# Allegro board SDHCalFEB.brd (continued)
## Routing (per net, layer and track width the routed paths; a pad name or vN(x,y) marks a point on that pad's centre or on a via; arc(x,y) is an arc through that point) (continued)
  TOP w0.127: R2339.2 228.74,27.02 v2(227.79,27.02) R1142.1
  GND1 w0.127: v2(227.79,27.02) v3(228.52,27.02)
  SIG3 w0.127: v3(228.52,27.02) 242.2,40.69 v3(242.2,41.46)
  GND3 w0.127: v4(242.2,42.2) v3(242.2,41.46)
GEM_OUT_N60: length 32.2
  TOP w0.127: R1143.1 v2(225.6,29.68) 226.56,29.68 R2309.2
  GND1 w0.127: v2(225.6,29.68) v3(226.34,29.68)
  SIG3 w0.127: v3(226.34,29.68) 241.46,44.81 v3(241.46,52.2)
  GND3 w0.127: v4(242.2,52.2) v3(241.46,52.2)
GEM_OUT_O1: length 5
  TOP w0.127: R2188.2 173.16,80.73 v2(172.2,80.73) 172.2,78.16 R1167.1
  GND1 w0.127: v3(172.2,81.46) v2(172.2,80.73)
  GND3 w0.127: v4(172.2,82.2) v3(172.2,81.46)
GEM_OUT_O2: length 3.4
  TOP w0.127: R1168.1 172.2,94.64 v2(172.2,93.67) 172.2,92.71 R2178.2
  GND1 w0.127: v3(172.2,92.94) v2(172.2,93.67)
  GND3 w0.127: v4(172.2,92.2) v3(172.2,92.94)
GEM_OUT_O3: length 3.4
  TOP w0.127: R1169.1 162.2,84.64 v2(162.2,83.67) 162.2,82.72 R2189.2
  GND1 w0.127: v3(162.2,82.94) v2(162.2,83.67)
  GND3 w0.127: v4(162.2,82.2) v3(162.2,82.94)
GEM_OUT_O4: length 3.9
  TOP w0.127: R2191.2 160.73,93.68 v2(160.73,92.2) 159.77,92.2 R1170.1
  GND1 w0.127: v3(161.46,92.2) v2(160.73,92.2)
  GND3 w0.127: v4(162.2,92.2) v3(161.46,92.2)
GEM_OUT_O5: length 3.4
  TOP w0.127: R2190.2 152.2,82.71 v2(152.2,83.67) 152.2,84.61 R1171.1
  GND1 w0.127: v3(152.2,82.94) v2(152.2,83.67)
  GND3 w0.127: v4(152.2,82.2) v3(152.2,82.94)
GEM_OUT_O6: length 3.9
  TOP w0.127: R2202.2 150.73,93.64 v2(150.73,92.2) 149.77,92.2 R1172.1
  GND1 w0.127: v3(151.46,92.2) v2(150.73,92.2)
  GND3 w0.127: v4(152.2,92.2) v3(151.46,92.2)
GEM_OUT_O7: length 3.4
  TOP w0.127: R2199.2 142.2,82.71 v2(142.2,83.67) 142.2,84.63 R1173.1
  GND1 w0.127: v3(142.2,82.94) v2(142.2,83.67)
  GND3 w0.127: v4(142.2,82.2) v3(142.2,82.94)
GEM_OUT_O8: length 3.9
  TOP w0.127: R2203.2 140.73,93.68 v2(140.73,92.2) 139.76,92.2 R1174.1
  GND1 w0.127: v3(141.46,92.2) v2(140.73,92.2)
  GND3 w0.127: v4(142.2,92.2) v3(141.46,92.2)
GEM_OUT_O9: length 3.4
  TOP w0.127: R2200.2 132.2,82.7 v2(132.2,83.67) 132.2,84.63 R1175.1
  GND1 w0.127: v3(132.2,82.94) v2(132.2,83.67)
  GND3 w0.127: v4(132.2,82.2) v3(132.2,82.94)
GEM_OUT_O10: length 3.4
  TOP w0.127: R1176.1 132.2,94.64 v2(132.2,93.67) 132.2,92.71 R2215.2
  GND1 w0.127: v3(132.2,92.94) v2(132.2,93.67)
  GND3 w0.127: v4(132.2,92.2) v3(132.2,92.94)
GEM_OUT_O11: length 3.4
  TOP w0.127: R1177.1 122.2,94.61 v2(122.2,93.67) 122.2,92.72 R2216.2
  GND1 w0.127: v3(122.2,92.94) v2(122.2,93.67)
  GND3 w0.127: v4(122.2,92.2) v3(122.2,92.94)
GEM_OUT_O12: length 3.4
  TOP w0.127: R2201.2 122.2,82.71 v2(122.2,83.67) R1178.1
  GND1 w0.127: v3(122.2,82.94) v2(122.2,83.67)
  GND3 w0.127: v4(122.2,82.2) v3(122.2,82.94)
GEM_OUT_O13: length 3.9
  TOP w0.127: R1179.1 114.62,92.2 v2(113.67,92.2) R2217.2
  GND1 w0.127: v3(112.94,92.2) v2(113.67,92.2)
  GND3 w0.127: v4(112.2,92.2) v3(112.94,92.2)
GEM_OUT_O14: length 3.4
  TOP w0.127: R2205.2 102.2,91.69 v2(102.2,90.73) 102.2,89.81 R1180.1
  GND1 w0.127: v3(102.2,91.46) v2(102.2,90.73)
  GND3 w0.127: v4(102.2,92.2) v3(102.2,91.46)
GEM_OUT_O15: length 3.9
  TOP w0.127: v2(123.67,72.2) 122.74,72.2 R1181.1 122.73,72.22 R2262.2
  GND1 w0.127: v3(122.94,72.2) v2(123.67,72.2)
  GND3 w0.127: v4(122.2,72.2) v3(122.94,72.2)
GEM_OUT_O16: length 3.4
  TOP w0.127: R1182.1 114.62,82.2 v2(113.67,82.2) 112.71,82.2 R2234.2
  GND1 w0.127: v3(112.94,82.2) v2(113.67,82.2)
  GND3 w0.127: v4(112.2,82.2) v3(112.94,82.2)
GEM_OUT_O17: length 3.4
  TOP w0.127: R1183.1 104.63,82.2 v2(103.67,82.2) 102.7,82.2 R2238.2
  GND1 w0.127: v3(102.94,82.2) v2(103.67,82.2)
  GND3 w0.127: v4(102.2,82.2) v3(102.94,82.2)
GEM_OUT_O18: length 38.5
  TOP w0.127: R1184.1 v2(98.96,79.32) 98.01,79.32 R2258.2
  GND1 w0.127: v3(99.69,79.32) v2(98.96,79.32)
  SIG3 w0.127: v3(99.69,79.32) 125.81,79.32 v3(132.2,72.94)
  GND3 w0.127: v4(132.2,72.2) v3(132.2,72.94)
GEM_OUT_O19: length 3.4
  TOP w0.127: R2266.2 114.62,72.2 v2(113.67,72.2) 112.73,72.2 R1185.1
  GND1 w0.127: v3(112.94,72.2) v2(113.67,72.2)
  GND3 w0.127: v4(112.2,72.2) v3(112.94,72.2)
GEM_OUT_O20: length 3.4
  TOP w0.127: R1186.1 103.15,73.67 v2(102.2,73.67) 101.26,73.67 R2270.2
  GND1 w0.127: v3(102.2,72.94) v2(102.2,73.67)
  GND3 w0.127: v4(102.2,72.2) v3(102.2,72.94)
GEM_OUT_O21: length 45.2
  TOP w0.127: R2254.2 98.81,71.32 v2(99.77,71.32) R1187.1
  GND1 w0.127: v3(100.51,71.32) v2(99.77,71.32)
  SIG3 w0.127: v3(142.2,71.46) 141.65,71.46 141.51,71.32 v3(100.51,71.32)
  GND3 w0.127: v4(142.2,72.2) v3(142.2,71.46)
GEM_OUT_O22: length 8.6
  TOP w0.127: R2250.2 157.88,72.2 v2(158.83,72.2) 159.79,72.2 R1188.1
  GND1 w0.127: v3(158.09,72.2) v2(158.83,72.2)
  SIG3 w0.127: v3(152.94,72.2) v3(158.09,72.2)
  GND3 w0.127: v4(152.2,72.2) v3(152.94,72.2)
GEM_OUT_O23: length 3.4
  TOP w0.127: R2246.2 161.23,70.73 v2(162.2,70.73) 163.14,70.73 R1189.1
  GND1 w0.127: v3(162.2,71.46) v2(162.2,70.73)
  GND3 w0.127: v4(162.2,72.2) v3(162.2,71.46)
GEM_OUT_O24: length 3.4
  TOP w0.127: R1190.1 171.68,72.2 v2(170.73,72.2) 169.78,72.2 R2242.2
  GND1 w0.127: v3(171.46,72.2) v2(170.73,72.2)
  GND3 w0.127: v4(172.2,72.2) v3(171.46,72.2)
GEM_OUT_O25: length 23.8
  TOP w0.127: v2(111.56,63.92) R1191.1 112.53,63.91 R2290.2
  GND1 w0.127: v3(112.45,63.91) 111.91,63.91 111.9,63.92 v2(111.56,63.92)
  SIG3 w0.127: v3(131.46,62.2) 122.15,62.2 120.45,63.91 v3(112.45,63.91)
  GND3 w0.127: v4(132.2,62.2) v3(131.46,62.2)
GEM_OUT_O26: length 11.4
  TOP w0.127: R2294.2 114.69,60.82 R1192.1 v2(113.72,62.31)
  GND1 w0.127: v3(114.24,61.79) v2(113.72,62.31)
  SIG3 w0.127: v3(114.24,61.79) 114.84,61.79 114.95,61.68 v3(121.68,61.68)
  GND3 w0.127: v4(122.2,62.2) v3(121.68,61.68)
GEM_OUT_O27: length 18.9
  TOP w0.127: R1193.1 v2(166.27,65.26) 165.29,65.26 R2282.2
  GND1 w0.127: v2(166.27,65.26) v3(165.53,65.26)
  SIG3 w0.127: v3(165.53,65.26) 162.96,62.69 157.73,62.69 157.1,62.05 152.81,62.05 152.66,62.2 v3(151.46,62.2)
  GND3 w0.127: v3(151.46,62.2) v4(152.2,62.2)
GEM_OUT_O28: length 3.9
  TOP w0.127: R1194.1 163.89,61.46 v2(162.94,61.46) 162.94,59.97 R2278.2
  GND1 w0.127: v3(162.2,61.46) v2(162.94,61.46)
  GND3 w0.127: v4(162.2,62.2) v3(162.2,61.46)
GEM_OUT_O29: length 3.9
  TOP w0.127: R2274.2 171.46,60.01 v2(171.46,61.46) 172.4,61.46 R1195.1
  GND1 w0.127: v3(172.2,61.46) v2(171.46,61.46)
  GND3 w0.127: v4(172.2,62.2) v3(172.2,61.46)
GEM_OUT_O30: length 3.4
  TOP w0.127: R1196.1 109.77,62.2 v2(110.73,62.2) 111.68,62.2 R2298.2
  GND1 w0.127: v3(111.46,62.2) v2(110.73,62.2)
  GND3 w0.127: v4(112.2,62.2) v3(111.46,62.2)
GEM_OUT_O31: length 43.7
  TOP w0.127: R2286.2 103.37,66.31 v2(102.41,66.31) R1197.1
  GND1 w0.127: v3(103.15,66.31) v2(102.41,66.31)
  SIG3 w0.127: v3(141.46,62.2) 140.7,62.97 127.63,62.97 127.33,62.66 123.09,62.66 121.03,64.72 104.74,64.72 v3(103.15,66.31)
  GND3 w0.127: v4(142.2,62.2) v3(141.46,62.2)
GEM_OUT_O32: length 4.2
  TOP w0.127: R2302.2 101.16,61.46 v2(102.94,61.46) 102.94,60.52 R1198.1
  GND1 w0.127: v3(102.2,61.46) v2(102.94,61.46)
  GND3 w0.127: v4(102.2,62.2) v3(102.2,61.46)
GEM_OUT_O33: length 3.4
  TOP w0.127: R2332.2 103.67,51.24 v2(103.67,52.2) R1199.1
  GND1 w0.127: v3(102.94,52.2) v2(103.67,52.2)
  GND3 w0.127: v4(102.2,52.2) v3(102.94,52.2)
GEM_OUT_O35: length 3.4
  TOP w0.127: R1201.1 109.77,52.2 v2(110.73,52.2) 111.68,52.2 R2328.2
  GND1 w0.127: v3(111.46,52.2) v2(110.73,52.2)
  GND3 w0.127: v4(112.2,52.2) v3(111.46,52.2)
GEM_OUT_O40: length 7.9
  TOP w0.127: v2(120.73,52.2) 120.73,51.51 118.54,49.33 R1206.1 R2325.2
  GND1 w0.127: v3(121.46,52.2) v2(120.73,52.2)
  GND3 w0.127: v4(122.2,52.2) v3(121.46,52.2)
GEM_OUT_O41: length 3.4
  TOP w0.127: R2364.2 102.2,42.71 v2(102.2,43.67) R1207.1
  GND1 w0.127: v3(102.2,42.94) v2(102.2,43.67)
  GND3 w0.127: v4(102.2,42.2) v3(102.2,42.94)
GEM_OUT_O44: length 3.4
  TOP w0.127: R1210.1 109.78,42.2 v2(110.73,42.2) 111.67,42.2 R2360.2
  GND1 w0.127: v3(111.46,42.2) v2(110.73,42.2)
  GND3 w0.127: v4(112.2,42.2) v3(111.46,42.2)
GEM_OUT_O50: length 3.4
  TOP w0.127: R1216.1 v2(122.2,40.73) R2356.2
  GND1 w0.127: v3(122.2,41.46) v2(122.2,40.73)
  GND3 w0.127: v4(122.2,42.2) v3(122.2,41.46)
GEM_OUT_O51: length 29.1
  TOP w0.127: R1217.1 v2(116.48,32.37) 115.53,32.37 R2322.2
  GND1 w0.127: v2(116.48,32.37) v3(117.22,32.37)
  SIG3 w0.127: v3(131.46,52.2) 131.46,46.61 v3(117.22,32.37)
  GND3 w0.127: v4(132.2,52.2) v3(131.46,52.2)
GEM_OUT_O52: length 24.6
  TOP w0.127: R1218.1 v2(115.14,29.73) 114.18,29.73 R2352.2
  GND1 w0.127: v2(115.14,29.73) v3(115.87,29.73)
  SIG3 w0.127: v3(115.87,29.73) 120.46,29.73 v3(132.2,41.46)
  GND3 w0.127: v4(132.2,42.2) v3(132.2,41.46)
GEM_OUT_O53: length 1.5
  TOP w0.127: R2477.1 116.02,23.58 R1219.1
GEM_OUT_O54: length 36.8
  TOP w0.127: R2348.2 115.64,20.96 v2(116.59,20.96) R1220.1
  GND1 w0.127: v2(116.59,20.96) v3(117.32,20.96)
  SIG3 w0.127: v3(142.2,41.46) 121.7,20.96 v3(117.32,20.96)
  GND3 w0.127: v4(142.2,42.2) v3(142.2,41.46)
GEM_OUT_O55: length 46.8
  TOP w0.127: R2314.2 129.2,16.29 v2(129.2,17.25) R1221.1
  GND1 w0.127: v2(129.2,17.25) v3(129.2,17.98)
  SIG3 w0.127: v3(151.46,52.2) 147.07,47.8 147.07,39.65 129.2,21.78 v3(129.2,17.98)
  GND3 w0.127: v4(152.2,52.2) v3(151.46,52.2)
GEM_OUT_O56: length 35.3
  TOP w0.127: R1222.1 v2(131.84,17.3) 131.84,16.34 R2344.2
  GND1 w0.127: v2(131.84,17.3) v3(131.84,18.03)
  SIG3 w0.127: v3(131.84,18.03) 152.2,38.39 v3(152.2,41.46)
  GND3 w0.127: v4(152.2,42.2) v3(152.2,41.46)
GEM_OUT_O57: length 38.5
  TOP w0.127: R1223.1 v2(145.87,18.56) 146.83,18.56 R2336.2
  GND1 w0.127: v2(145.87,18.56) v3(146.61,18.56)
  SIG3 w0.127: v3(146.61,18.56) 148.17,18.56 171.08,41.46 v3(172.2,41.46)
  GND3 w0.127: v4(172.2,42.2) v3(172.2,41.46)
GEM_OUT_O58: length 44.8
  TOP w0.127: R2306.2 146.73,21.15 v2(145.77,21.15) R1224.1
  GND1 w0.127: v2(145.77,21.15) v3(146.51,21.15)
  SIG3 w0.127: v3(171.46,52.2) 171.46,46.11 v3(146.51,21.15)
  GND3 w0.127: v4(172.2,52.2) v3(171.46,52.2)
GEM_OUT_O59: length 23.6
  TOP w0.127: R1225.1 v2(147.24,27.25) 148.19,27.25 R2340.2
  GND1 w0.127: v2(147.24,27.25) v3(147.98,27.25)
  SIG3 w0.127: v3(147.98,27.25) 162.2,41.46 v3(162.2,41.46)
  GND3 w0.127: v4(162.2,42.2) v3(162.2,41.46)
GEM_OUT_O60: length 31.9
  TOP w0.127: R1226.1 v2(145.92,29.86) 146.88,29.86 R2310.2
  GND1 w0.127: v2(145.92,29.86) v3(146.66,29.86)
  SIG3 w0.127: v3(161.46,52.2) 161.46,44.67 v3(146.66,29.86)
  GND3 w0.127: v4(162.2,52.2) v3(161.46,52.2)
GEM_OUT_P1: length 5
  TOP w0.127: R2195.2 92.21,80.72 v2(92.2,80.73) 92.2,78.73 92.19,78.73 R1250.1
  GND1 w0.127: v3(92.2,81.46) v2(92.2,80.73)
  GND3 w0.127: v4(92.2,82.2) v3(92.2,81.46)
GEM_OUT_P2: length 3.4
  TOP w0.127: R2179.2 92.2,92.71 v2(92.2,93.67) 92.2,94.63 R1251.1
  GND1 w0.127: v3(92.2,92.94) v2(92.2,93.67)
  GND3 w0.127: v4(92.2,92.2) v3(92.2,92.94)
GEM_OUT_P3: length 3.4
  TOP w0.127: R1252.1 82.2,84.64 v2(82.2,83.67) 82.2,82.71 R2229.2
  GND1 w0.127: v3(82.2,82.94) v2(82.2,83.67)
  GND3 w0.127: v4(82.2,82.2) v3(82.2,82.94)
GEM_OUT_P4: length 3.9
  TOP w0.127: R1253.1 79.76,92.2 v2(80.73,92.2) 80.73,93.69 R2180.2
  GND1 w0.127: v3(81.46,92.2) v2(80.73,92.2)
  GND3 w0.127: v4(82.2,92.2) v3(81.46,92.2)
GEM_OUT_P5: length 3.4
  TOP w0.127: R2207.2 72.2,82.71 v2(72.2,83.67) 72.2,84.6 R1254.1
  GND1 w0.127: v3(72.2,82.94) v2(72.2,83.67)
  GND3 w0.127: v4(72.2,82.2) v3(72.2,82.94)
GEM_OUT_P6: length 3.9
  TOP w0.127: R2182.2 70.73,93.67 v2(70.73,92.2) 69.78,92.2 R1255.1
  GND1 w0.127: v3(71.46,92.2) v2(70.73,92.2)
  GND3 w0.127: v4(72.2,92.2) v3(71.46,92.2)
GEM_OUT_P7: length 3.4
  TOP w0.127: R2219.2 62.2,82.72 v2(62.2,83.67) 62.2,84.61 R1256.1
  GND1 w0.127: v3(62.2,82.94) v2(62.2,83.67)
  GND3 w0.127: v4(62.2,82.2) v3(62.2,82.94)
GEM_OUT_P8: length 3.9
  TOP w0.127: R2184.2 60.73,93.68 v2(60.73,92.2) 59.77,92.2 R1257.1
  GND1 w0.127: v3(61.46,92.2) v2(60.73,92.2)
  GND3 w0.127: v4(62.2,92.2) v3(61.46,92.2)
GEM_OUT_P9: length 3.4
  TOP w0.127: R2220.2 52.2,82.74 v2(52.2,83.67) 52.2,84.64 R1258.1
  GND1 w0.127: v3(52.2,82.94) v2(52.2,83.67)
  GND3 w0.127: v4(52.2,82.2) v3(52.2,82.94)
GEM_OUT_P10: length 3.4
  TOP w0.127: R1259.1 52.2,94.63 v2(52.2,93.67) 52.2,92.74 R2192.2
  GND1 w0.127: v3(52.2,92.94) v2(52.2,93.67)
  GND3 w0.127: v4(52.2,92.2) v3(52.2,92.94)
GEM_OUT_P11: length 3.4
  TOP w0.127: R1260.1 42.2,94.64 v2(42.2,93.67) 42.2,92.72 R2193.2
  GND1 w0.127: v3(42.2,92.94) v2(42.2,93.67)
  GND3 w0.127: v4(42.2,92.2) v3(42.2,92.94)
GEM_OUT_P12: length 3.4
  TOP w0.127: R1261.1 42.2,84.63 v2(42.2,83.67) 42.2,82.73 R2222.2
  GND1 w0.127: v3(42.2,82.94) v2(42.2,83.67)
  GND3 w0.127: v4(42.2,82.2) v3(42.2,82.94)
GEM_OUT_P15: length 3.4
  TOP w0.127: R2247.2 42.2,72.72 v2(42.2,73.67) 42.2,74.62 R1264.1
  GND1 w0.127: v3(42.2,72.94) v2(42.2,73.67)
  GND3 w0.127: v4(42.2,72.2) v3(42.2,72.94)
GEM_OUT_P18: length 27.2
  TOP w0.127: R2243.2 25.92,72.16 v2(26.87,72.16) R1267.1
  GND1 w0.127: v3(27.61,72.16) v2(26.87,72.16)
  SIG3 w0.127: v3(27.61,72.16) 50.72,72.16 50.76,72.2 v3(51.46,72.2)
  GND3 w0.127: v4(52.2,72.2) v3(51.46,72.2)
GEM_OUT_P21: length 38.7
  TOP w0.127: R2239.2 25.97,69.52 v2(26.92,69.52) R1270.1
  GND1 w0.127: v3(27.66,69.52) v2(26.92,69.52)
  SIG3 w0.127: v3(62.2,71.46) 29.6,71.46 v3(27.66,69.52)
  GND3 w0.127: v4(62.2,72.2) v3(62.2,71.46)
GEM_OUT_P22: length 8.7
  TOP w0.127: R1271.1 79.93,72.2 v2(78.97,72.2) 78.02,72.2 R2235.2
  GND1 w0.127: v3(78.23,72.2) v2(78.97,72.2)
  SIG3 w0.127: v3(72.94,72.2) v3(78.23,72.2)
  GND3 w0.127: v4(72.2,72.2) v3(72.94,72.2)
GEM_OUT_P23: length 3.4
  TOP w0.127: R2231.2 81.25,70.73 v2(82.2,70.73) 83.16,70.73 R1272.1
  GND1 w0.127: v3(82.2,71.46) v2(82.2,70.73)
  GND3 w0.127: v4(82.2,72.2) v3(82.2,71.46)
GEM_OUT_P24: length 3.4
  TOP w0.127: R2230.2 89.77,72.2 v2(90.73,72.2) 91.69,72.2 R1273.1
  GND1 w0.127: v3(91.46,72.2) v2(90.73,72.2)
  GND3 w0.127: v4(92.2,72.2) v3(91.46,72.2)
GEM_OUT_P25: length 36.8
  TOP w0.127: R2263.2 v2(28.19,63.75) R1274.1
  GND1 w0.127: v3(28.93,63.75) v2(28.19,63.75)
  SIG3 w0.127: v3(61.46,62.2) 60.7,62.97 49.38,62.97 49.07,62.66 30.02,62.66 v3(28.93,63.75)
  GND3 w0.127: v4(62.2,62.2) v3(61.46,62.2)
GEM_OUT_P26: length 16.3
  TOP w0.127: R1275.1 v2(28.24,61.21) R2271.2
  GND1 w0.127: v3(28.98,61.21) v2(28.24,61.21)
  SIG3 w0.127: v3(28.98,61.21) 29.45,61.68 v3(41.68,61.68)
  GND3 w0.127: v4(42.2,62.2) v3(41.68,61.68)
GEM_OUT_P27: length 17.5
  TOP w0.127: R2259.2 84.84,65.24 v2(85.79,65.24) R1276.1
  GND1 w0.127: v2(85.79,65.24) v3(85.06,65.24)
  SIG3 w0.127: v3(85.06,65.24) 74,65.24 72.2,63.44 v3(72.2,62.94)
  GND3 w0.127: v3(72.2,62.94) v4(72.2,62.2)
GEM_OUT_P28: length 4
  TOP w0.127: R1277.1 83.88,61.46 v2(82.94,61.46) 82.94,59.96 R2255.2
  GND1 w0.127: v3(82.2,61.46) v2(82.94,61.46)
  GND3 w0.127: v4(82.2,62.2) v3(82.2,61.46)
GEM_OUT_P29: length 3.9
  TOP w0.127: R2251.2 91.46,59.96 v2(91.46,61.46) 92.42,61.46 R1278.1
  GND1 w0.127: v3(92.2,61.46) v2(91.46,61.46)
  GND3 w0.127: v4(92.2,62.2) v3(92.2,61.46)
GEM_OUT_P31: length 30.3
  TOP w0.127: R1280.1 v2(26.75,55.07) R2267.2
  GND1 w0.127: v3(27.48,55.07) v2(26.75,55.07)
  SIG3 w0.127: v3(27.48,55.07) 32.89,60.48 41.63,60.48 43.35,62.2 v3(51.46,62.2)
  GND3 w0.127: v4(52.2,62.2) v3(51.46,62.2)
GEM_OUT_P35: length 17.9
  TOP w0.127: R2295.2 25.76,52.46 v2(26.72,52.46) R1284.1
  GND1 w0.127: v3(27.46,52.46) v2(26.72,52.46)
  SIG3 w0.127: v3(27.46,52.46) 28.24,51.68 v3(41.68,51.68)
  GND3 w0.127: v4(42.2,52.2) v3(41.68,51.68)
GEM_OUT_P50: length 3.4
  TOP w0.127: R2319.2 42.2,41.67 v2(42.2,40.73) 42.2,39.78 R1299.1
  GND1 w0.127: v3(42.2,41.46) v2(42.2,40.73)
  GND3 w0.127: v4(42.2,42.2) v3(42.2,41.46)
GEM_OUT_P51: length 29.1
  TOP w0.127: R1300.1 v2(36.2,32.55) 35.24,32.55 R2291.2
  GND1 w0.127: v2(36.2,32.55) v3(36.93,32.55)
  SIG3 w0.127: v3(51.46,52.2) 51.46,47.08 v3(36.93,32.55)
  GND3 w0.127: v4(52.2,52.2) v3(51.46,52.2)
GEM_OUT_P52: length 24.8
  TOP w0.127: R1301.1 v2(34.87,29.98) 33.92,29.98 R2315.2
  GND1 w0.127: v2(34.87,29.98) v3(35.61,29.98)
  SIG3 w0.127: v3(52.2,41.46) 47.09,41.46 v3(35.61,29.98)
  GND3 w0.127: v4(52.2,42.2) v3(52.2,41.46)
GEM_OUT_P53: length 1.5
  TOP w0.127: R1302.1 37.5,24.05 R2595.1
GEM_OUT_P54: length 36.6
  TOP w0.127: R2311.2 35.58,21.37 v2(36.53,21.37) R1303.1
  GND1 w0.127: v2(36.53,21.37) v3(37.26,21.37)
  SIG3 w0.127: v3(62.2,41.46) 57.35,41.46 v3(37.26,21.37)
  GND3 w0.127: v4(62.2,42.2) v3(62.2,41.46)
GEM_OUT_P55: length 46
  TOP w0.127: R2283.2 49.37,17.03 v2(49.37,17.98) R1304.1
  GND1 w0.127: v2(49.37,17.98) v3(49.37,18.72)
  SIG3 w0.127: v3(71.46,52.2) 71.46,47.61 49.37,25.52 v3(49.37,18.72)
  GND3 w0.127: v4(72.2,52.2) v3(71.46,52.2)
GEM_OUT_P56: length 34.6
  TOP w0.127: R2307.2 51.73,17.03 v2(51.73,17.98) R1305.1
  GND1 w0.127: v2(51.73,17.98) v3(51.73,18.72)
  SIG3 w0.127: v3(51.73,18.72) 72.2,39.19 v3(72.2,41.46)
  GND3 w0.127: v4(72.2,42.2) v3(72.2,41.46)
GEM_OUT_P57: length 38.9
  TOP w0.127: R2299.2 66.36,18.61 v2(65.41,18.61) R1306.1
  GND1 w0.127: v2(65.41,18.61) v3(66.14,18.61)
  SIG3 w0.127: v3(92.2,41.46) 91.91,41.46 69.05,18.61 v3(66.14,18.61)
  GND3 w0.127: v4(92.2,42.2) v3(92.2,41.46)
GEM_OUT_P58: length 44.8
  TOP w0.127: R1307.1 v2(65.23,21.3) 66.18,21.3 R2275.2
  GND1 w0.127: v2(65.23,21.3) v3(65.96,21.3)
  SIG3 w0.127: v3(65.96,21.3) 91.46,46.8 v3(91.46,52.2)
  GND3 w0.127: v4(92.2,52.2) v3(91.46,52.2)
GEM_OUT_P59: length 23.8
  TOP w0.127: R1308.1 v2(66.67,27.22) 67.63,27.22 R2303.2
  GND1 w0.127: v2(66.67,27.22) v3(67.41,27.22)
  SIG3 w0.127: v3(67.41,27.22) 81.68,41.49 v3(81.68,41.68)
  GND3 w0.127: v4(82.2,42.2) v3(81.68,41.68)
GEM_OUT_P60: length 32.1
  TOP w0.127: R2279.2 66.36,29.84 v2(65.41,29.84) R1309.1
  GND1 w0.127: v2(65.41,29.84) v3(66.14,29.84)
  SIG3 w0.127: v3(66.14,29.84) 81.46,45.16 v3(81.46,52.2)
  GND3 w0.127: v4(82.2,52.2) v3(81.46,52.2)
GEM_SIGNAL_A15: length 4.9
  TOP w0.127: R1641.2 194.64,332.2 v2(193.67,332.2) ; v2(193.67,332.2) 192.72,332.2 R1645.2 ; v2(193.67,332.2) 193.67,333.13 193.68,333.13 R1437.2
  GND1 w0.127: v3(192.94,332.2) v2(193.67,332.2)
  GND3 w0.127: v4(192.2,332.2) v3(192.94,332.2)
GEM_SIGNAL_A23: length 4.9
  TOP w0.127: v2(113.67,332.2) 113.67,333.7 R1409.2 ; v2(113.67,332.2) 112.71,332.2 R1646.2 ; v2(113.67,332.2) 114.63,332.2 R1642.2
  GND1 w0.127: v3(112.94,332.2) v2(113.67,332.2)
  GND3 w0.127: v4(112.2,332.2) v3(112.94,332.2)
GEM_SIGNAL_AF4: length 48
  TOP w0.127: R2485.2 271.76,24.61 v2(272.72,24.61) ; v2(272.72,24.61) R2316.2 ; v2(272.72,24.61) R2484.2
  GND1 w0.127: v3(273.46,24.61) v2(272.72,24.61)
  SIG3 w0.127: v3(301.46,52.2) 301.46,45.94 280.13,24.61 v3(273.46,24.61)
  GND3 w0.127: v4(302.2,52.2) v3(301.46,52.2)
GEM_SIGNAL_AF12: length 45.8
  TOP w0.127: v2(193.55,24.43) 193.55,25.91 R2317.2 ; v2(193.55,24.43) R2476.2 ; v2(193.55,24.43) 192.58,24.43 R2480.2
  GND1 w0.127: v2(193.55,24.43) v3(194.29,24.43)
  SIG3 w0.127: v3(194.29,24.43) 197.37,24.43 221.46,48.52 v3(221.46,52.2)
  GND3 w0.127: v4(222.2,52.2) v3(221.46,52.2)
GEM_SIGNAL_AF20: length 46.3
  TOP w0.127: R2481.2 112.55,23.59 v2(113.51,23.59) ; v2(113.51,23.59) R2318.2 ; v2(113.51,23.59) R2477.2
  GND1 w0.127: v2(113.51,23.59) v3(114.25,23.59)
  SIG3 w0.127: v3(114.25,23.59) 116.86,23.59 141.46,48.19 v3(141.46,52.2)
  GND3 w0.127: v4(142.2,52.2) v3(141.46,52.2)
GEM_SIGNAL_AF28: length 45.7
  TOP w0.127: v2(33.53,24.05) R2287.2 ; v2(33.53,24.05) R2596.2 ; v2(33.53,24.05) R2595.2
  GND1 w0.127: v3(34.26,24.05) v2(33.53,24.05)
  SIG3 w0.127: v3(34.26,24.05) 36.68,24.05 61.46,48.84 v3(61.46,52.2)
  GND3 w0.127: v4(62.2,52.2) v3(61.46,52.2)
GEM_SIGNAL_B4: length 5
  TOP w0.127: R1644.2 302.21,324.64 R1640.2 302.2,324.63 v2(302.2,323.67) 302.2,322.67 R1444.2
  GND1 w0.127: v3(302.2,322.94) v2(302.2,323.67)
  GND3 w0.127: v4(302.2,322.2) v3(302.2,322.94)
GEM_SIGNAL_D28: length 55.7
  TOP w0.127: v2(21.95,325.81) 21.92,325.83 R1476.2 ; v2(21.95,325.81) 21.95,325.81 R1647.2 ; v2(21.95,325.81) 21.95,324.84 R1643.2
  GND1 w0.127: v2(21.95,325.81) v3(21.95,325.07)
  SIG3 w0.127: v3(61.46,302.2) 60.86,302.8 41.19,302.8 21.95,322.05 v3(21.95,325.07)
  GND3 w0.127: v4(62.2,302.2) v3(61.46,302.2)
GEM_SIGNAL_J2: length 4.9
  TOP w0.127: v2(320.73,252.2) 321.69,252.2 R1908.2 ; v2(320.73,252.2) 320.73,250.71 R1649.2 ; v2(320.73,252.2) 319.77,252.2 R1904.2
  GND1 w0.127: v3(321.46,252.2) v2(320.73,252.2)
  GND3 w0.127: v4(322.2,252.2) v3(321.46,252.2)
GEM_SIGNAL_J10: length 4.9
  TOP w0.127: R1653.2 240.73,250.72 v2(240.73,252.2) ; R1905.2 239.78,252.2 v2(240.73,252.2) ; v2(240.73,252.2) 241.68,252.2 R1909.2
  GND1 w0.127: v3(241.46,252.2) v2(240.73,252.2)
  GND3 w0.127: v4(242.2,252.2) v3(241.46,252.2)
GEM_SIGNAL_J18: length 4.9
  TOP w0.127: R1710.2 160.73,250.71 v2(160.73,252.2) ; v2(160.73,252.2) 159.77,252.2 R1906.2 ; v2(160.73,252.2) 161.69,252.2 R1910.2
  GND1 w0.127: v3(161.46,252.2) v2(160.73,252.2)
  GND3 w0.127: v4(162.2,252.2) v3(161.46,252.2)
GEM_SIGNAL_J26: length 4.9
  TOP w0.127: v2(80.73,252.2) 80.73,250.72 R1692.2 ; v2(80.73,252.2) 79.76,252.2 R1907.2 ; v2(80.73,252.2) 81.68,252.2 R1911.2
  GND1 w0.127: v3(81.46,252.2) v2(80.73,252.2)
  GND3 w0.127: v4(82.2,252.2) v3(81.46,252.2)
GEM_SIGNAL_S3: length 4.9
  TOP w0.127: v2(310.73,172.2) 311.67,172.2 R2172.2 ; v2(310.73,172.2) 309.79,172.2 R2168.2 ; v2(310.73,172.2) 310.73,170.73 R1940.2
  GND1 w0.127: v3(311.46,172.2) v2(310.73,172.2)
  GND3 w0.127: v4(312.2,172.2) v3(311.46,172.2)
GEM_SIGNAL_S11: length 4.9
  TOP w0.127: R1941.2 230.73,170.69 v2(230.73,172.2) ; R2173.2 231.66,172.2 v2(230.73,172.2) ; v2(230.73,172.2) 229.78,172.2 R2169.2
  GND1 w0.127: v3(231.46,172.2) v2(230.73,172.2)
  GND3 w0.127: v4(232.2,172.2) v3(231.46,172.2)
GEM_SIGNAL_S19: length 4.9
  TOP w0.127: v2(150.73,172.2) 150.73,170.71 R1942.2 ; v2(150.73,172.2) 151.68,172.2 R2174.2 ; v2(150.73,172.2) 149.77,172.2 R2170.2
  GND1 w0.127: v3(151.46,172.2) v2(150.73,172.2)
  GND3 w0.127: v4(152.2,172.2) v3(151.46,172.2)
GEM_SIGNAL_S27: length 4.9
  TOP w0.127: v2(70.73,172.2) 70.73,170.7 R1943.2 ; v2(70.73,172.2) 69.79,172.2 R2171.2 ; v2(70.73,172.2) 71.67,172.2 R2175.2
  GND1 w0.127: v3(71.46,172.2) v2(70.73,172.2)
  GND3 w0.127: v4(72.2,172.2) v3(71.46,172.2)
GEM_TEST_A: length 25.3
  TOP w0.127: v1(296.88,345.34) J40.1 ; R1644.1 305.23,336.98 v1(303.47,338.75)
  SIG3 w0.127: v1(296.88,345.34) v1(303.47,338.75)
GEM_TEST_B: length 7.7
  TOP w0.127: R1645.1 188.47,334.93 J41.1
GEM_TEST_C: length 7
  TOP w0.127: J42.1 108.33,335.05 R1646.1
GEM_TEST_D: length 14.7
  TOP w0.127: R1647.1 21.95,333.78 24.64,336.48 J43.1
GEM_TEST_E: length 21.9
  TOP w0.127: R1908.1 v2(323.21,253.19) ; v2(334.31,265.38) J44.1
  GND1 w0.127: v3(333.58,265.38) v2(334.31,265.38) ; v2(323.21,253.19) v3(323.21,253.92)
  SIG2 w0.127: v3(323.21,253.92) 330.23,260.93 330.23,262.05 333.55,265.38 v3(333.58,265.38)
GEM_TEST_F: length 17.8
  TOP w0.127: J45.1 245.49,257.3 243.21,255.02 R1909.1
GEM_TEST_G: length 18.4
  TOP w0.127: R1910.1 163.22,255.12 165.89,257.79 J46.1
GEM_TEST_H: length 19
  TOP w0.127: J47.1 85.55,257.63 83.21,255.3 R1911.1
GEM_TEST_I: length 26.3
  TOP w0.127: R2172.1 318.47,177.47 J48.1
GEM_TEST_J: length 26.9
  TOP w0.127: R2173.1 238.28,177.27 257.4,177.27 J49.1
GEM_TEST_K: length 26.2
  TOP w0.127: J50.1 158.5,177.5 R2174.1
GEM_TEST_L: length 26.2
  TOP w0.127: J51.1 78.41,177.42 R2175.1
GEM_TEST_M: length 5.1
  TOP w0.127: R2485.1 265.1,24.61 J52.1
GEM_TEST_N: length 5
  TOP w0.127: R2480.1 186.11,24.43 J53.1
GEM_TEST_O: length 5.8
  TOP w0.127: R2481.1 105.18,23.6 J54.1
HOLD: length 45.3
  TOP w0.127: U1050.21 U1050.22 U1050.23 ; U1050.21 U1050.20 ; U1050.21 v1(353.94,202.38) ; J34.B26 v1(391.95,194.19)
  SIG2 w0.127: v1(353.94,202.38) 368.13,202.38 376.32,194.19 v1(391.95,194.19)
HOLD_A: length 377.9
  TOP w0.127: U195.119 154.57,309.87 v2(155.75,309.87) ; U1050.1 v1(348.34,204.33) ; v2(75.74,309.87) U260.119 ; v2(235.76,309.87) U130.119 ; U65.119 v2(313.41,309.87)
  GND1 w0.127: v2(313.41,309.87) v3(312.67,309.87) ; v3(236.5,309.87) v2(235.76,309.87) ; v3(156.49,309.87) v2(155.75,309.87) ; v3(76.48,309.87) v2(75.74,309.87)
  SIG2 w0.127: v3(312.67,309.87) v3(236.5,309.87) v3(156.49,309.87) v3(76.48,309.87)
  SIG3 w0.127: v3(312.67,309.87) 334.15,309.87 345.62,298.4 345.62,207.04 v1(348.34,204.33)
HOLD_B: length 300.8
  TOP w0.127: U1050.2 v1(345.97,203.68) ; v2(75.74,229.86) U520.119 ; v2(235.76,229.86) U390.119 ; v2(313.41,229.86) 313.6,229.86 U325.119 ; v2(155.75,229.86) U455.119
  GND1 w0.127: v3(156.49,229.86) v2(155.75,229.86) ; v3(76.48,229.86) v2(75.74,229.86) ; v2(235.76,229.86) v3(236.5,229.86) ; v3(312.68,229.86) v2(313.41,229.86)
  SIG2 w0.127: v3(76.48,229.86) v3(156.49,229.86) v3(236.5,229.86) v3(312.68,229.86) 323.71,229.86 325.7,227.86 v3(341.63,227.86)
  SIG3 w0.127: v1(345.97,203.68) 344.98,204.67 344.98,224.51 v3(341.63,227.86)
HOLD_C: length 313
  TOP w0.127: U650.119 v2(235.76,149.85) ; U715.119 v2(155.75,149.85) ; U780.119 v2(77.55,149.85) ; U1050.3 v1(348.34,203.03) ; U585.119 v2(313.41,149.85)
  GND1 w0.127: v2(235.76,149.85) v3(236.5,149.85) ; v2(155.75,149.85) v3(156.49,149.85) ; v2(313.41,149.85) v3(312.68,149.85) ; v2(77.55,149.85) v3(78.28,149.85)
  SIG1 w0.127: v1(348.34,203.03) 318.97,173.66 318.97,156.15 v3(312.68,149.85)
  SIG2 w0.127: v3(78.28,149.85) v3(156.49,149.85) v3(236.5,149.85) v3(312.68,149.85)
